# Altium PCB TMC4671-EVAL_V1_1.PcbDoc (part 1 of 2) (continued)
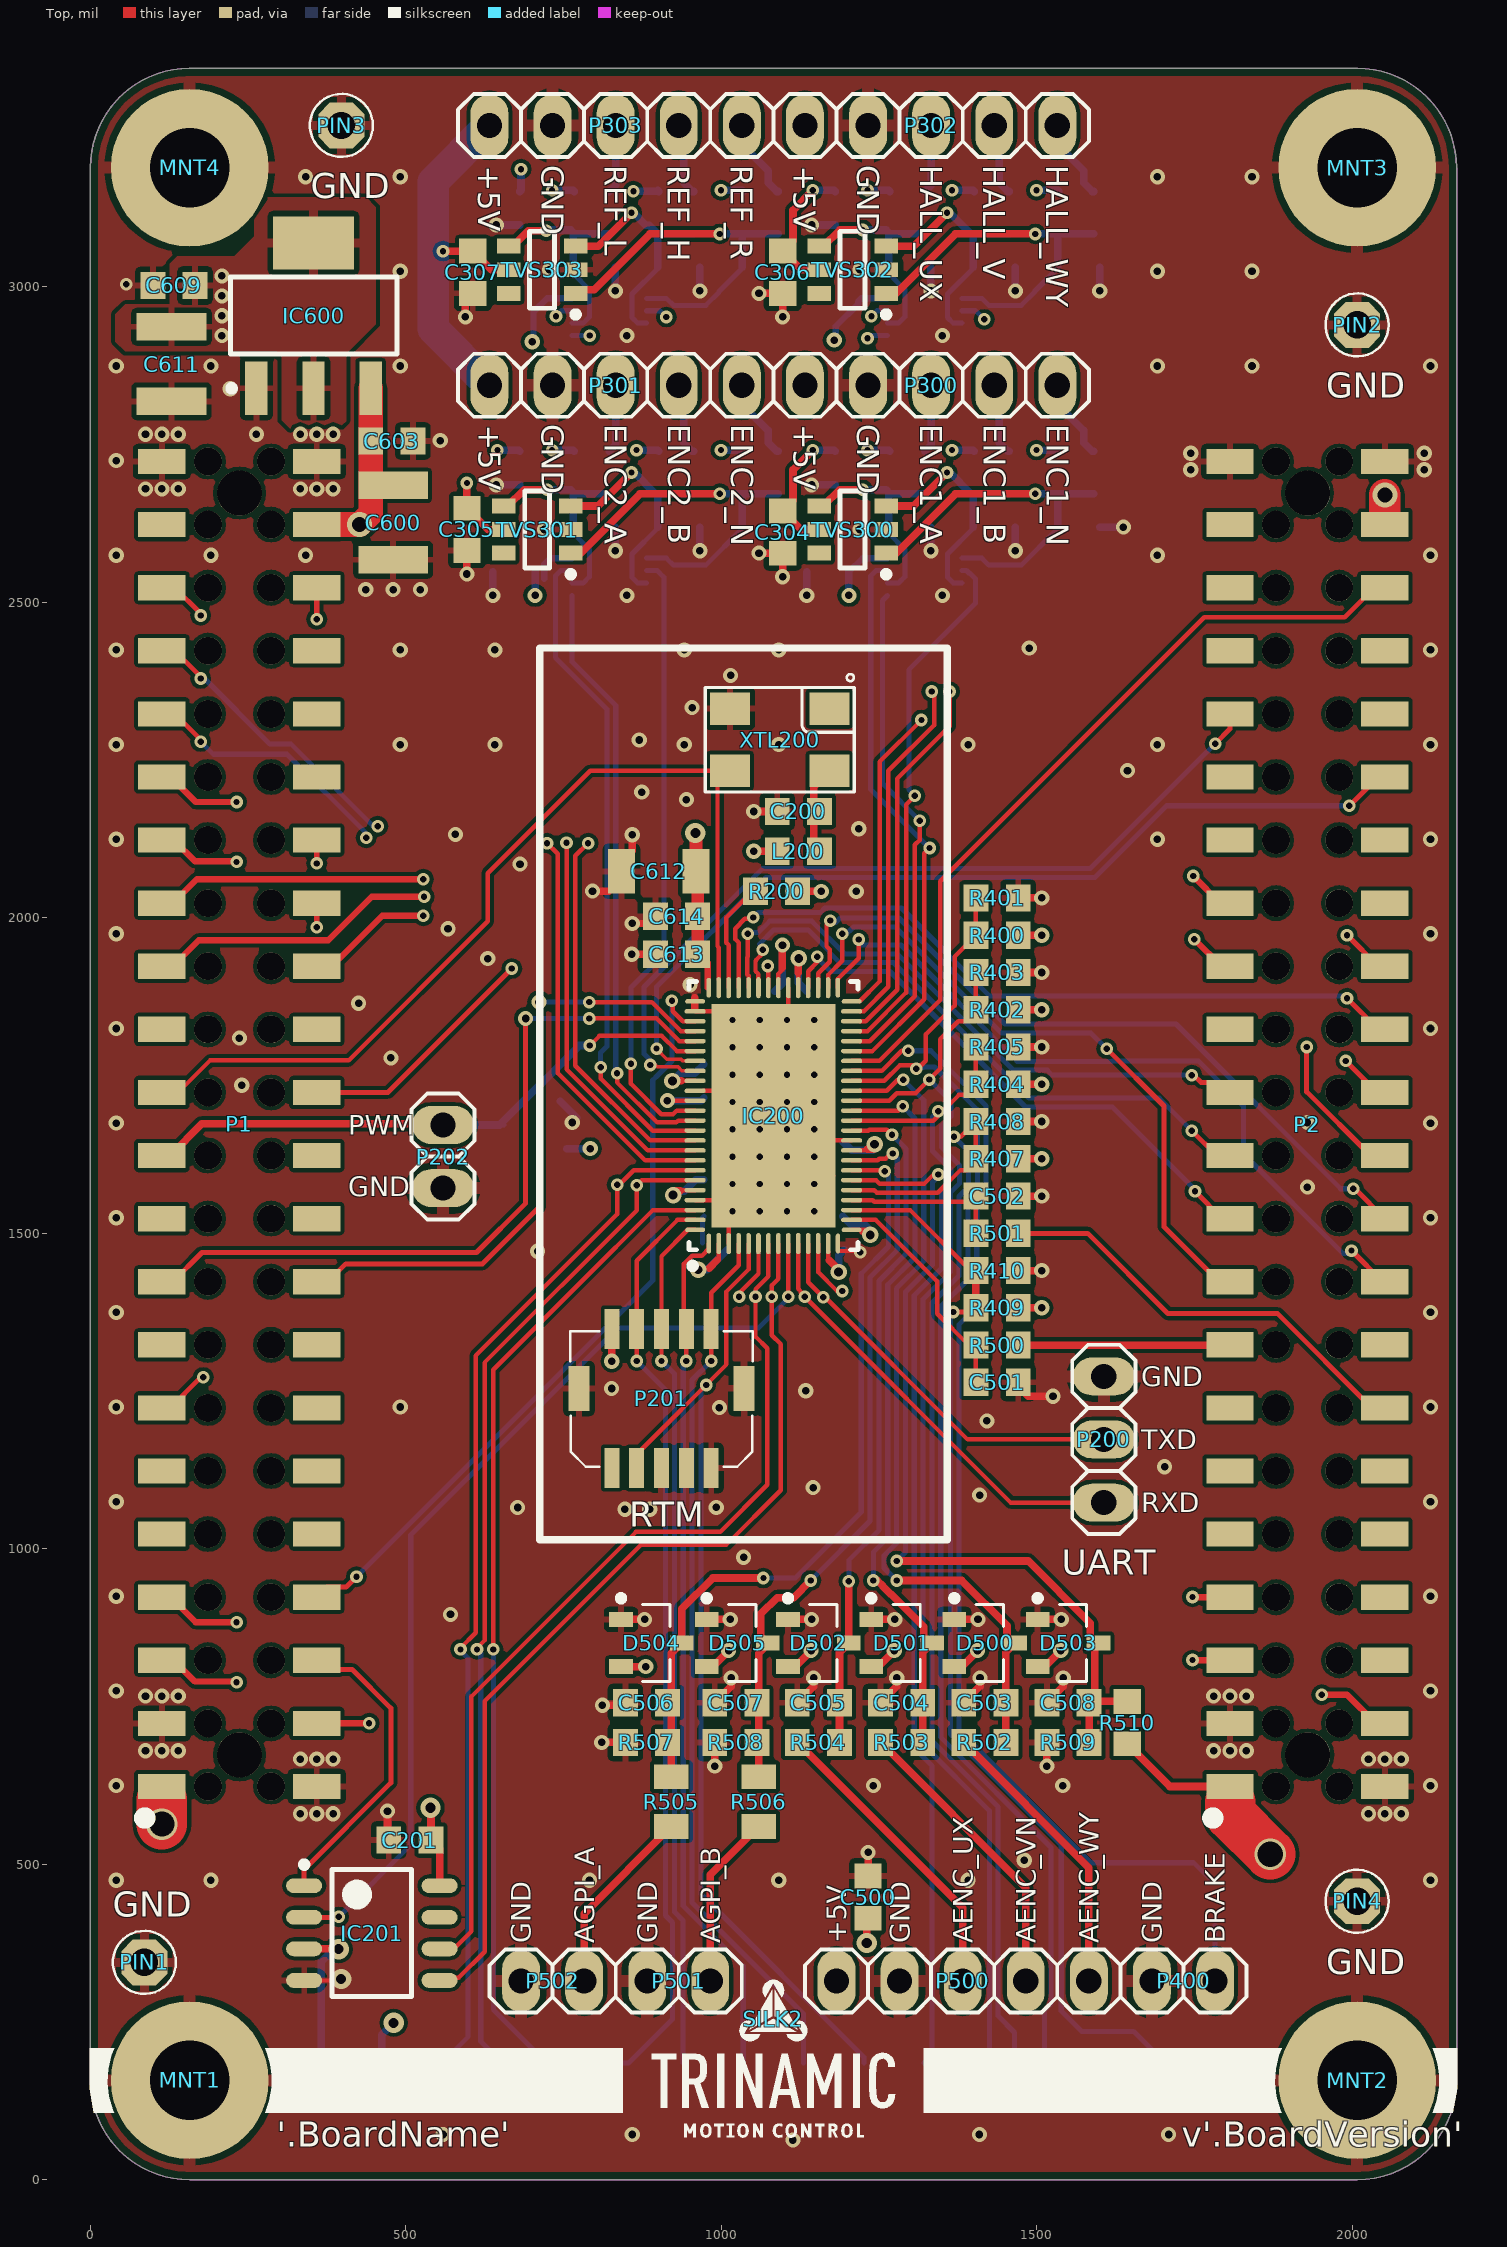
[diagram p0: Top view]
## Footprints (in the part's own frame and the unit in brackets; to place one, negate y for a bottom-side part, rotate by r counter-clockwise, add the part's x,y. Pads: shape width x height; smd on the part's side, far side on the other; paste and mask are expansions set on the pad)
C0603 [mm] "0603 ceramic capacitor"
  rect 1x1.1 smd: 1(-0.85,0) 2(0.85,0)
  body extent -0.8,-0.4 0.8,0.4, height 0.8
C1206 [mm] "1206 ceramic capacitor"
  rect 1.1x1.8 smd: 1(-1.5,0) 2(1.5,0)
  body extent -1.6,-0.8 1.6,0.8, height 0.76
C1210 [mm] "1210 capacitor"
  rect 1.1x2.8 smd: 1(-1.5,0) 2(1.5,0)
  body extent -1.6,-1.25 1.6,1.25, height 0.77
"CON, TMC Debug SPI" [mm]
  rect 0.6x1.6 smd: 1(-2,2.8) 2(-2,-2.8) 3(-1,2.8) 4(-1,-2.8) 5(0,2.8) 6(0,-2.8) 7(1,2.8) 8(1,-2.8) 9(2,2.8) 10(2,-2.8)
  rect 0.85x1.8 smd: 11(-3.325,0.4) 12(3.325,0.4)
  silkscreen extent -3.67,-2.75 3.68,2.7, body extent -3.65,-3.23 3.65,3.17, height 4.6
FOX924B-25.000 [mm] "TCXO, 25 MHz, 2.5 ppm, SMD, 5mm x 3.2mm, HCMOS, 3.3 V, FOX924 Series"
  rect 1.6x1.3 smd: 1(-2.003,-1.25) 2(2.003,-1.25) 3(2.003,1.25) 4(-2.003,1.25)
  silkscreen extent -3,-2.64 3,2.1, body extent -2.5,-1.6 2.5,1.6, height 1.51
Interface_Connector [mil]
  rect 40x75 smd: 1(-1050,122.72) 2(-1050,-122.72) 3(-950,122.72) 4(-950,-122.72) 5(-850,122.72) 6(-850,-122.72) 7(-750,122.72) 8(-750,-122.72) 9(-650,122.72) 10(-650,-122.72) 11(-550,122.72) 12(-550,-122.72) 13(-450,122.72) 14(-450,-122.72) 15(-350,122.72) 16(-350,-122.72) 17(-250,122.72) 18(-250,-122.72) 19(-150,122.72) 20(-150,-122.72) 21(-50,122.72) 22(-50,-122.72) 23(50,122.72) 24(50,-122.72) 25(150,122.72) 26(150,-122.72) 27(250,122.72) 28(250,-122.72) 29(350,122.72) 30(350,-122.72) 31(450,122.72) 32(450,-122.72) 33(550,122.72) 34(550,-122.72) 35(650,122.72) 36(650,-122.72) 37(750,122.72) 38(750,-122.72) 39(850,122.72) 40(850,-122.72) 41(950,122.72) 42(950,-122.72) 43(1050,122.72) 44(1050,-122.72)
  round 44 hole 44: HOLE(-1050,-50.28) HOLE(-1050,49.72) HOLE(-950,-50.28) HOLE(-950,49.72) HOLE(-850,-50.28) HOLE(-850,49.72) HOLE(-750,-50.28) HOLE(-750,49.72) HOLE(-650,-50.28) HOLE(-650,49.72) HOLE(-550,-50.28) HOLE(-550,49.72) HOLE(-450,-50.28) HOLE(-450,49.72) HOLE(-350,-50.28) HOLE(-350,49.72) HOLE(-250,-50.28) HOLE(-250,49.72) HOLE(-150,-50.28) HOLE(-150,49.72) HOLE(-50,-50.28) HOLE(-50,49.72) HOLE(50,-50.28) HOLE(50,49.72) HOLE(150,-50.28) HOLE(150,49.72) HOLE(250,-50.28) HOLE(250,49.72) HOLE(350,-50.28) HOLE(350,49.72) HOLE(450,-50.28) HOLE(450,49.72) HOLE(550,-50.28) HOLE(550,49.72) HOLE(650,-50.28) HOLE(650,49.72) HOLE(750,-50.28) HOLE(750,49.72) HOLE(850,-50.28) HOLE(850,49.72) HOLE(950,-50.28) HOLE(950,49.72) HOLE(1050,-50.28) HOLE(1050,49.72)
  round 71 hole 71: HOLE(-1000,-0.28) HOLE(1000,-0.28)
  silkscreen extent -1107,143 -1093,157, body extent -1100,-129 1100,130, height 144
L0603 [mm] "0603 inductor"
  rect 1x1.1 smd: 1(-0.85,0) 2(0.85,0)
  body extent -0.8,-0.5 0.8,0.45, height 0.79
MNT_HOLE_6.35-3.2 [mm]
  round 6.35 hole 3.2: 1(0,0)
  silkscreen extent -3.3,-3.3 3.3,3.3
QFN40P1050X650X90_HS-77N [mm] "QFN, 76-Leads, Body 10,50x6,50mm, Pitch 0,40mm, Thermal Pad 9,00x5,00mm, IPC Medium Density"
  oval 0.8x0.182 smd mask+0.051: 1(-5.15,2.6) 14(-5.15,-2.6) 39(5.15,-2.6) 52(5.15,2.6)
  oval 0.85x0.182 smd mask+0.051: 2(-5.15,2.2) 3(-5.15,1.8) 4(-5.15,1.4) 5(-5.15,1) 6(-5.15,0.6) 7(-5.15,0.2) 8(-5.15,-0.2) 9(-5.15,-0.6) 10(-5.15,-1) 11(-5.15,-1.4) 12(-5.15,-1.8) 13(-5.15,-2.2) 40(5.15,-2.2) 41(5.15,-1.8) 42(5.15,-1.4) 43(5.15,-1) 44(5.15,-0.6) 45(5.15,-0.2) 46(5.15,0.2) 47(5.15,0.6) 48(5.15,1) 49(5.15,1.4) 50(5.15,1.8) 51(5.15,2.2)
  oval 0.182x0.8 smd mask+0.051: 15(-4.6,-3.15) 38(4.6,-3.15) 53(4.6,3.15) 76(-4.6,3.15)
  oval 0.182x0.85 smd mask+0.051: 16(-4.2,-3.15) 17(-3.8,-3.15) 18(-3.4,-3.15) 19(-3,-3.15) 20(-2.6,-3.15) 21(-2.2,-3.15) 22(-1.8,-3.15) 23(-1.4,-3.15) 24(-1,-3.15) 25(-0.6,-3.15) 26(-0.2,-3.15) 27(0.2,-3.15) 28(0.6,-3.15) 29(1,-3.15) 30(1.4,-3.15) 31(1.8,-3.15) 32(2.2,-3.15) 33(2.6,-3.15) 34(3,-3.15) 35(3.4,-3.15) 36(3.8,-3.15) 37(4.2,-3.15) 54(4.2,3.15) 55(3.8,3.15) 56(3.4,3.15) 57(3,3.15) 58(2.6,3.15) 59(2.2,3.15) 60(1.8,3.15) 61(1.4,3.15) 62(1,3.15) 63(0.6,3.15) 64(0.2,3.15) 65(-0.2,3.15) 66(-0.6,3.15) 67(-1,3.15) 68(-1.4,3.15) 69(-1.8,3.15) 70(-2.2,3.15) 71(-2.6,3.15) 72(-3,3.15) 73(-3.4,3.15) 74(-3.8,3.15) 75(-4.2,3.15)
  rect 9x5 smd: 77(0,0)
  silkscreen extent -6.17,-3.4 5.4,3.4, body extent -5.25,-3.25 5.25,3.25, height 0.9
R0603 [mm] "0603 resistor"
  rect 1x1.1 smd: 1(-0.85,0) 2(0.85,0)
  body extent -0.8,-0.4 0.8,0.4, height 0.45
R0805 [mm] "0805 resistor"
  rect 1x1.4 smd: 1(-1,0) 2(1,0)
  body extent -1,-0.62 1,0.62, height 0.6
SOP127P600X175-8N [mm] "SOP, 8-Leads, Body 4,92x3,90mm, Pitch 1,27mm, IPC Medium Density"
  oval 1.45x0.6 smd: 1(-2.725,1.905) 2(-2.725,0.635) 3(-2.725,-0.635) 4(-2.725,-1.905) 5(2.725,-1.905) 6(2.725,-0.635) 7(2.725,0.635) 8(2.725,1.905)
  silkscreen extent -2.85,-2.55 1.6,2.88, body extent -3,-2.55 3,2.55, height 1.75
SOT95P237X130-3N [mm] "SOT23, 3-Leads, Body 2,90x2,37mm, Pitch 0,95mm, IPC Medium Density"
  rect 0.95x0.6 smd: 1(-1.225,0.95) 2(-1.225,-0.95) 3(1.225,0)
  silkscreen extent -1.35,-1.55 0.75,1.92, body extent -1.32,-1.55 1.32,1.55, height 1.3
SOT95P280X145-6N [mm] "SOT23, 6-Leads, Body 2,95x2,80mm, Pitch 0,95mm, IPC Medium Density"
  rect 0.95x0.6 smd: 1(-1.35,0.95) 2(-1.35,0) 3(-1.35,-0.95) 4(1.35,-0.95) 5(1.35,0) 6(1.35,0.95)
  silkscreen extent -1.48,-1.55 0.5,1.92, body extent -1.4,-1.55 1.4,1.55, height 1.45
SOT230P700X180-4N [mm] "SOT223, 4-Leads, Body 6,50x7,00mm (avg), Pitch 2,30mm, IPC Medium Density"
  rect 2.15x0.9 smd: 1(-2.925,2.3) 2(-2.925,0) 3(-2.925,-2.3)
  rect 2.15x3.25 smd: 4(2.925,0)
  silkscreen extent -3.05,-3.35 1.55,3.42, body extent -3.5,-3.35 3.5,3.35, height 1.8
TH_HDR_1X2 [mil]
  oval 60x98.43 hole 40: 1(-50,0) 2(50,0)
  silkscreen extent -100,-50 100,50, body extent -100,-50 100,50, height 351
TH_HDR_1X3 [mil]
  oval 60x98.43 hole 40: 1(-100,0) 2(0,0) 3(100,0)
  silkscreen extent -150,-50 150,50, body extent -150,-50 150,50, height 351
TH_HDR_1X5 [mil]
  oval 60x98.43 hole 40: 1(-200,0) 2(-100,0) 3(0,0) 4(100,0) 5(200,0)
  silkscreen extent -250,-50 250,50, body extent -250,-50 250,50, height 351
TMC4671_EVAL_V1_0_BACK_LABEL [mil]
  silkscreen extent -591,0 591,2087
TMC_logo_small [mil]
  silkscreen extent -193,-188 193,62
TP_1.1-1.85_OCT [mm]
  oct 1.85x1.85 hole 1.1: 1(0,0)
  silkscreen extent -1.27,-1.27 1.27,1.27
TP_SMD_1.2MM_ROUND#1 [mm]
  rrect100% 1.2x1.2 smd: 1(0,1.69)
TP_SMD_1.2MM_ROUND#2 [mm]
  rrect100% 1.2x1.2 smd: 1(0,0)
TSSOP50P310X90-8L [mm] "TSSOP, 8-Leads, Body 2,00x2,30mm, Pitch 0,50mm, IPC High Density"
  oval 0.6x0.25 smd: 1(-1.5,0.75) 2(-1.5,0.25) 3(-1.5,-0.25) 4(-1.5,-0.75) 5(1.5,-0.75) 6(1.5,-0.25) 7(1.5,0.25) 8(1.5,0.75)
  silkscreen extent -1.63,-1.05 0.8,1.55, body extent -1.55,-1.05 1.55,1.05, height 0.9

## Part data
C200 C201 C304 C305 C306 C307 C320 C321 C322 C323 C601 C602 C604 C605 C606 C607 C608 C610: library part "C, 0.1 µF, 10 V, ± 10%, X7R, 0603", "SMD Multilayer Ceramic Capacitor, 0603 [1608 Metric], 0.1 µF, 10 V, ± 10%, X7R, MC Series", Capacitance=100nF, MPN=MC0603B104K100CT, VoltageRating=10V, Characteristic=X7R, MF=Multicomp, Precision=10%, Type=MLCC
C300 C301 C302 C303 C500: library part "C, 1 µF, 10 V, ± 10%, X5R, MC Series, 0603 [1608 Metric]", "SMD Multilayer Ceramic Capacitor, 0603 [1608 Metric], 1 µF, 10 V, ± 10%, X5R, MC Series", Capacitance=1uF, MPN=MC0603X105K100CT, VoltageRating=10V, Characteristic=X5R, MF=MULTICOMP, Precision=10%, Type=MLCC
C308 C309 C310 C311 C312 C313 C314 C315 C316 C317 C318 C319 C501 C502 C503 C504 C505: library part "C, 100 pF, 50 V, ± 5%, C0G / NP0, MC Series, 0603 [1608 Metric]", "SMD Multilayer Ceramic Capacitor, 0603 [1608 Metric], 100 pF, 50 V, ± 5%, C0G / NP0, MC Series", Capacitance=100pF, MPN=MC0603N101J500CT, VoltageRating=50V, Characteristic="C0G / NP0", MF=MULTICOMP, Precision=5%, Type=MLCC
C506 C507: library part "C, 100 pF, 10 V, ± 1%, C0G / NP0, MCMT Series, 0603 [1608 Metric]", "SMD Multilayer Ceramic Capacitor, 0603 [1608 Metric], 100 pF, 10 V, ± 1%, C0G / NP0, MCMT Series", Capacitance=100pF, MPN=MCMT18N101F100CT, VoltageRating=10V, Characteristic="C0G / NP0", MF=MULTICOMP, Precision=1%, Type=MLCC
C508: library part "C, 10nF, 10 V, ± 10%, X7R, 0603", "SMD Multilayer Ceramic Capacitor, 0603 [1608 Metric], 0.01 µF, 10 V, ± 10%, X7R, MCSH Series", MPN=MCSH18B103K100CT, VoltageRating=10V, Capacitance=10nF, Characteristic=X7R, MF=MULTICOMP, Precision=10%, Type=MLCC
C600: library part "C, 100 µF, 16 V, ± 20%, X5R, M Series, 1210", "SMD Multilayer Ceramic Capacitor, 1210 [3225 Metric], 100 µF, 16 V, ± 20%, X5R, M Series", Capacitance=100uF, MPN=EMK325ABJ107MM-T, VoltageRating=16V, Characteristic=X5R, MF="TAIYO YUDEN", Precision=20%, Type=MLCC
C603 C609: library part "C, 4.7 µF, 10 V, ± 10%, X5R, MC Series , 0603", "SMD Multilayer Ceramic Capacitor, 0603 [1608 Metric], 4.7 µF, 10 V, ± 10%, X5R, MC Series", Capacitance=4u7, MPN=MC0603X475K100CT, VoltageRating=10V, Characteristic=X5R, MF=MULTICOMP, Precision=10%, Type=MLCC
C611: library part "C, 100 µF, 6.3 V, ± 20%, X5R, GRM Series, 1210", "SMD Multilayer Ceramic Capacitor, 1210 [3225 Metric], 100 µF, 6.3 V, ± 20%, X5R, GRM Series", Capacitance=100uF, MPN=GRM31CR60J107ME39L., VoltageRating=6V3, Characteristic=X5R, MF=MURATA, Precision=20%, Type=MLCC
C612: library part "C, 47 µF, 10 V, ± 20%, X7R, MC Series , 1206", "SMD Multilayer Ceramic Capacitor, 1206 [3216 Metric], 47 µF, 10 V, ± 20%, X5R, GRM Series", Capacitance=47uF, MPN=GRM31CR61A476ME15L, VoltageRating=10V, Characteristic=X5R, MF=MURATA, Precision=20%, Type=MLCC
C613: library part "C, 0.1 µF, 10 V, ± 10%, X7R, 0603", "SMD Multilayer Ceramic Capacitor, 0603 [1608 Metric], 0.1 µF, 10 V, ± 10%, X7R, MC Series", MPN=MC0603B104K100CT, VoltageRating=10V, Capacitance=100nF, Characteristic=X7R, MF=Multicomp, Precision=10%, Type=MLCC
C614: library part "C, 0.47 µF, 16 V, ± 10%, X5R, MC Series, 0603 [1608 Metric]", "SMD Multilayer Ceramic Capacitor, 0603 [1608 Metric], 0.47 µF, 16 V, ± 10%, X5R, MC Series", MPN=MC0603X474K160CT, Voltage rating=16V, Capacitance=470nF, Characteristic=X5R, ComponentLinknDescription=Datasheet, MF=Multicomp, Precision=10%, Type=MLCC
C615: library part "C, 4.7 µF, 10 V, ± 10%, X5R, MC Series , 0603", "SMD Multilayer Ceramic Capacitor, 0603 [1608 Metric], 4.7 µF, 10 V, ± 10%, X5R, MC Series", MPN=MC0603X475K100CT, VoltageRating=10V, Capacitance=4u7, Characteristic=X5R, MF=MULTICOMP, Precision=10%, Type=MLCC
D200 D500 D501 D502 D503 D504 D505: "Small Signal Schottky Diode, Dual Series, 30 V, 200 mA, 1 V, 600 mA, 125 °C", MF="TAIWAN SEMICONDUCTOR", MPN=BAT54S
IC201: library part "EEPROM_ AT25128B-SSHL-T", "EEPROM, SPI, 128 Kbit, 16K x 8bit, 20 MHz, SOIC, 8 Pins", MF=MICROCHIP, MPN=AT25128B-SSHL-T
IC300 IC301 IC302 IC303: "Triple Schmitt-Trigger Buffer, 74LVC3G17, 1.65 V to 5.5 V, VSSOP-8", MF="TEXAS INSTRUMENTS", MPN=SN74LVC3G17DCUR
IC600: library part LDO_LD1117S33CTR, "Fixed LDO Voltage Regulator, 4.75V to 15V, 1.1V Dropout, 3.3Vout, 950mAout, SOT-223-4", MF=STMICROELECTRONICS, MPN=LD1117S33CTR
L200: library part "FB, 30 ohm, 0603 [1608 Metric], MFB Series, 3 A, 0.04 ohm, ± 25%", "Ferrite Bead, 30 ohm, 0603 [1608 Metric], MFB Series, 3 A, 0.04 ohm, ± 25%", DC Current Rating=3A, DC Resistance Max=0R04, MPN=MFB-160808-0030PQ, Tolerance=±25%, Impedance=30R, MF="MEC MARCOM"
P1 P2: library part "Interface Connector, 44 Pins", "Board-To-Board Connector, 2.54 mm, 44 Contacts, Receptacle, HLE Series, Surface Mount, 2 Rows", MPN=HLE-122-02-L-DV, MF=SAMTEC
P200: library part "Header 3", "Header, 3-Pin", Note="Not fitted"
P201: library part "CON, TMC Debug SPI", "Wire-To-Board Connector, 1 mm, 10 Contacts, Header, DF20 Series, Surface Mount, 2 Rows", MF="Hirose Electric Co Ltd", MPN=DF20F-10DP-1V(56)
P202 P400 P501 P502: library part "Header 2", "Header, 2-Pin"
  P202: Note="Not fitted"
P300 P301 P302 P303 P500: library part "Header 5", "Header, 5-Pin"
PIN1 PIN2 PIN3 PIN4: library part TP_1.1-1.85_OCT, "TH testpoint, 1.1 hole, 1.85 pad, octagonal"
R200 R400 R401 R402 R403 R404 R405 R407 R408 R409 R410: library part "R, 10 kohm, 50 V, 0603 [1608 Metric], 63 mW, ± 1%, MC Series", "SMD Chip Resistor, Thick Film, 10 kohm, 50 V, 0603 [1608 Metric], 63 mW, ± 1%, MC Series", MPN=MC0063W0603110K, PowerRating=63mW, Temp coefficient=*ppm, VoltageRating=50V, MF=MULTICOMP, Precision=1%, Resistance=10k
R300 R301 R302 R303 R304 R305 R306 R307 R308 R309 R310 R311: library part "R, 22 ohm, 50 V, 0603 [1608 Metric], 100 mW, ± 1%, MCWR Series", "SMD Chip Resistor, Thick Film, 22 ohm, 50 V, 0603 [1608 Metric], 100 mW, ± 1%, MCWR Series", MPN=MCWR06X22R0FTL, PowerRating=100mW, Temp coefficient=*ppm, VoltageRating=50V, MF=MULTICOMP, Precision=1%, Resistance=22R
R312 R313 R314 R315 R316 R317 R318 R319 R320 R321 R322 R323: library part "R, 4.7 kohm, 75 V, 0603 [1608 Metric], 100 mW, ± 1%, WR06 Series", "SMD Chip Resistor, 4.7 kohm, 75 V, 0603 [1608 Metric], 100 mW, ± 1%, WR06 Series", MPN=WR06X4701FTL, PowerRating=100mW, Temp coefficient=*ppm, VoltageRating=75V, MF=WALSIN, Precision=1%, Resistance=4k7
R406: library part "R, 10 ohm, 50 V, 0603 [1608 Metric], 100 mW, ± 1%, MCWR Series", "SMD Chip Resistor, Thick Film, 10 ohm, 50 V, 0603 [1608 Metric], 100 mW, ± 1%, MCWR Series", MPN=MC0063W0603110K, PowerRating=100mW, Temp coefficient=*ppm, VoltageRating=50V, MF=MULTICOMP, Precision=1%, Resistance=10R
R500 R501 R502 R503 R504: library part "R, 100 ohm, 50 V, 0603 [1608 Metric], 100 mW, ± 1%, MCWR Series", "SMD Chip Resistor, Thick Film, 100 ohm, 50 V, 0603 [1608 Metric], 100 mW, ± 1%, MCWR Series", MPN=MCWR06X1000FTL, PowerRating=100mW, Temp coefficient=*ppm, VoltageRating=50V, MF=MULTICOMP, Precision=1%, Resistance=100R
R505 R506: library part "R, 4 kohm, 150 V, 0805 [2012 Metric], 125 mW, ± 1%, CRCW Series", "SMD Chip Resistor, Thick Film, 4 kohm, 150 V, 0805 [2012 Metric], 125 mW, ± 1%, CRCW Series", MPN=CRCW08054K00FKTA, PowerRating=125mW, Temp coefficient=*ppm, VoltageRating=150V, MF=VISHAY, Precision=1%, Resistance=4k
R507 R508: library part "R, 1 kohm, 50 V, 0603 [1608 Metric], 63 mW, ± 1%, MC Series", "SMD Chip Resistor, Thick Film, 1 kohm, 50 V, 0603 [1608 Metric], 100 mW, ± 0.5%, RE Series", MPN=MC0063W060311K, PowerRating=63mW, Temp coefficient=*ppm, VoltageRating=50V, MF=MULTICOMP, Precision=1%, Resistance=1k
R509: library part "R, 1.5 kohm, 50 V, 0603 [1608 Metric], 100 mW, ± 1%, MCWR Series", "SMD Chip Resistor, Thick Film, 1.5 kohm, 50 V, 0603 [1608 Metric], 100 mW, ± 1%, MCWR Series", MPN=MCWR06X1501FTL, PowerRating=63mW, Temp coefficient=*ppm, VoltageRating=50V, MF=MULTICOMP, Precision=1%, Resistance=1k5
R510: library part "R, 100 kohm, 50 V, 0603 [1608 Metric], 100 mW, ± 1%, MCWR Series", "SMD Chip Resistor, Thick Film, 100 kohm, 50 V, 0603 [1608 Metric], 100 mW, ± 1%, MCWR Series", MPN=MCWR06X1003FTL, Temp coefficient=*ppm, MF=MULTICOMP, Precision=1%, Resistance=100k
SILK1 SILK2: library part SILK_GFX
TP1 TP2 TP3 TP4 TP5 TP6 TP7 TP8 TP9 TP10 TP11 TP12 TP13 TP14 TP400 TP401: library part TP_SMD_Xmm, "SMD testpoint, 1.2mm pad, round"
TVS300 TVS301 TVS302 TVS303: library part "ESD, TVS, SRV05-4.TCT", "ESD Protection Device, TVS, 17.5 V, SOT-23, 6 Pins, 5 V, 300 W", MF=SEMTECH, MPN=SRV05-4.TCT
XTL200: library part "25 MHz, 2.5 ppm, SMD, 5mm x 3.2mm, HCMOS, 3.3 V, FOX924 Series", "TCXO, 25 MHz, 2.5 ppm, SMD, 5mm x 3.2mm, HCMOS, 3.3 V, FOX924 Series", Freq. Stability=2.5ppm, MPN=FOX924B-25.000, Op.temp.=-30°C...+80°C, Freq.=25MHz, MF="FOX ELECTRONICS"
IC200: MF=TRINAMIC, MPN=TMC4671

## Free pads (board coordinates)
  round 0 on Mech16 paste+0 mask+0: 1(1296.85,1913.39) 1(1296.85,1956.69)

## Via types
v1: diameter 24, hole 12, Top to Bottom, tented both sides, 171 vias
v2: diameter 20, hole 10, Top to Bottom, tented both sides, 136 vias
v3: diameter 24.1, hole 12, Top to Bottom, tented both sides, 67 vias
v4: diameter 24, hole 10, Top to Bottom, 32 vias
v5: diameter 26, hole 14, Top to Bottom, tented both sides, 7 vias
v6: diameter 32, hole 16, Top to Bottom, tented both sides, 6 vias
v7: diameter 39.37, hole 23.62, Top to Bottom, tented both sides, 2 vias
v8: diameter 50, hole 40, Top to Bottom, tented both sides, 2 vias

## Nets (pads, with @x,y where several pads share a name; then routed paths per layer and width w, separated by ;. In a path a pad name is that pad's centre, name@x,y a point inside that pad or via, vN(x,y) a via of type N, cw(c..) or ccw(c..) an arc to the next point about the centre after c; other vN are vias at no path point)
+3V3: C201.2 C320.2 C321.2 C322.2 C323.2 C601.2 C604.2 C606.2 C608.2 C609.2 C610.2 C611.2 C612.2 C613.2 C614.1 D200.2 IC200.2 IC200.13 IC200.43 IC200.52 IC200.61 IC200.72 IC201.3 IC201.8 IC300.8 IC301.8 IC302.8 IC303.8 IC600.2 IC600.4 L200.1 P201.1 R200.2 TP1.1 | length 1710.8
  Top w7.1: 934.84,1568.39 IC200.72@958.66,1568.39 ; 940.94,1741.62 IC200.61@958.66,1741.62 ; 996.06,1457.76 IC200.2@996.06,1483.74 ; IC200.43@1122.05,1889.26 1122.05,1913.17 ; 1169.29,1459.45 IC200.13@1169.29,1471.01
  Top w10: IC200.52@978.76,1889.26 C613.2@978.76,1928.88
  Top w11.81: v5@918.66,1741.62 936.64,1741.62 ; v5@922.68,1561.5 v5@928.57,1567.39 ; v5@923.47,1567.39 v5@928.57,1567.39 ; 934.84,1567.39 v5@928.57,1567.39 ; 980.76,1444.45 994.06,1457.76 ; 1122.05,1913.17 v5@1122.05,1941.82 ; 1171.29,1457.16 1185.99,1442.46 v5(1185.99,1438.62)
  Top w12: IC201.3@339.01,365.94 393.12,365.94 v6(393.7,365.35) ; v6(539.19,589.54) 539.98,588.75 C201.2@539.98,538.36 553.58,524.76 IC201.8@553.58,465.94 ; v1(826.58,1297.29) P201.1@826.58,1348.47 ; v1(1051.46,2105.53) L200.1@1088.86,2105.53 ; R200.2@1121.1,2041.89 v1(1158.5,2041.89)
  Top w20: v6(958.94,2134.23) 959.96,2133.21 C612.2@959.96,2073.62 ; C613.2@962.57,1942.37 C614.1@962.57,2002.37 C612.2@962.57,2074.48
  Bottom w10: v1(700.39,2912.99) 702.36,2914.96 C323.2@702.36,2960.24 724.02,2981.89 IC303.8@763.39,2981.89 ; C321.2@719.6,2537.29 719.6,2560.2 729.4,2570 763.31,2570 IC301.8@763.39,2570.08 ; v1(1179.06,2915.65) 1181.73,2918.33 1181.73,2937.64 1217.05,2972.95 1217.05,2976.89 1221.97,2981.81 1263.31,2981.81 IC302.8@1263.39,2981.89 ; C320.2@1202.36,2548.43 1224.02,2570.08 IC300.8@1263.39,2570.08
  Bottom w11.81: v5@922.96,1741.62 v5(922.68,1741.34) 934.77,1753.43 958.23,1753.43 C601.2@972.68,1767.87 ; v5@923.68,1562.5 923.68,1566.87 941.4,1566.87 959.33,1584.8 C610.2@972.68,1584.8 ; v5(963.3,1442.1) 978.04,1442.1 C604.2@1009.84,1473.9 ; 1122.05,1918.78 1122.05,1897.13 C608.2@1135.83,1883.35 ; v5(1185.99,1438.62) 1185.99,1465.01 C606.2@1194.88,1473.9
  Bottom w12: TP1.1@366.14,185.04 366.14,345.67 385.83,365.35 v6(393.7,365.35) ; v1(704.91,2511.02) C321.2@704.91,2548.43 ; D200.2@754.94,1634.23 v1(792.34,1634.23) ; v1(1202.36,2511.02) C320.2@1202.36,2548.43
  other v1: 208.66,2922.83 208.66,2954.33 208.66,2985.83 208.66,3017.32
  other v5: 923.68,1560.5 1122.85,1935.62
+5V: C300.2 C301.2 C302.2 C303.2 C304.1 C305.1 C306.1 C307.1 C500.2 C600.2 C603.2 C615.2 D500.2 D501.2 D502.2 D503.2 D504.2 D505.2 IC200.23 IC600.3 P1.42 P2.42 P300.5 P301.5 P302.5 P303.5 P500.5 R312.2 R313.2 R314.2 R315.2 R316.2 R317.2 R318.2 R319.2 R320.2 R321.2 R322.2 R323.2 R400.2 R402.2 R404.2 R407.2 R409.2 TP2.1 TVS300.5 TVS301.5 TVS302.5 TVS303.5 | length 10135.2
  Top w7.1: IC200.23@1209.69,1631.38 1228.41,1631.38
  Top w11.81: 1231.51,1633.38 v5@1242.5,1633.38
  Top w12: v6@480.65,248.42 v6(480.85,248.62) ; v2@559.06,3056.69 C307.1@606.3,3056.69 635.83,3027.17 TVS303.5@662.99,3027.17 ; v2(596.94,2689.23) C305.1@596.94,2649.23 630.81,2615.35 TVS301.5@655.12,2615.35 ; D504.2@833.27,813.28 D504.2@841.14,813.28 v1(880.3,813.28) ; D505.2@975,813.28 D505.2@976.97,813.28 986.32,813.28 v1(1011.62,838.58) ; D502.2@1105.79,813.28 1117.11,813.28 v1(1142.4,838.58) ; v2(1145.28,2741.34) 1113.78,2709.84 1113.78,2661.42 C304.1@1097.24,2644.88 1126.77,2615.35 TVS300.5@1155.12,2615.35 ; v2(1145.28,3153.15) 1113.78,3121.65 1113.78,3073.23 C306.1@1097.24,3056.69 1126.77,3027.17 TVS302.5@1155.12,3027.17 ; v6(1230.68,374.96) 1230.68,412.5 C500.2@1232.68,414.49 ; D501.2@1237.68,813.28 1249,813.28 v1(1274.29,838.58) ; D500.2@1369.57,813.28 1380.89,813.28 v1(1406.18,838.58) ; R409.2@1470.63,1381.89 v1(1508.03,1381.89) ; R407.2@1470.63,1618.11 v1(1508.03,1618.11) ; R404.2@1470.63,1736.22 v1(1508.03,1736.22) ; R402.2@1470.63,1854.33 v1(1508.03,1854.33) ; R400.2@1470.63,1972.44 v1(1508.03,1972.44) ; D503.2@1501.46,813.29 1512.77,813.28 v1(1538.07,838.58)
  Top w39.37: P1.42@358.94,2623.23 v7(426.77,2623.23) 444.41,2640.87 C603.2@444.41,2755.65 IC600.3@444.41,2839.25
  Top w50: P2.42@2051.85,2633.86 v7(2051.85,2670.19)
  VM w12: v5(1243.16,1641.23) 1245,1641.23 1248.62,1644.85 1248.62,1665.42 1262.51,1679.31 1296.73,1679.31 1353.64,1736.22 v1(1508.03,1736.22) 1558.94,1736.22 ; v1(1508.03,1381.89) 1532.3,1357.62 ; v1@1513.94,1618.23 1542.76,1618.23 ; v1@1513.94,1854.45 1542.76,1854.45 ; v1@1513.94,1972.56 1542.76,1972.56 ; 1522.3,1357.62 1532.3,1357.62 ; 1535.85,1357.62 1532.3,1357.62
  VM w20: v6(480.85,248.62) 480.85,312.44 880.3,711.9 v1(880.3,813.28) 905.6,838.58 v1(1011.62,838.58) v1(1142.4,838.58) v1(1274.29,838.58) v1(1406.18,838.58) 1472.85,838.58 v1(1538.07,838.58)
  VM w50: v7(426.77,2623.23) 503.81,2623.23 632.68,2752.09 ; P301.5@632.68,2844.09 632.68,2752.09 ; P303.5@632.68,3255.91 632.68,3238.97 707.75,3163.91 1132.68,3163.91 ; P300.5@1132.68,2844.09 1132.68,2752.09 ; P302.5@1132.68,3255.91 1132.68,3163.91 ; P500.5@1182.68,314.96 1182.68,343.96 1472.85,634.13 1472.85,838.58 1472.85,1294.62 1535.85,1357.62 1563.94,1385.72 1563.94,2752.09 1689.1,2752.09 1732.28,2795.28 2009.45,2795.28 2052.76,2751.97 v7@2052.76,2670.19 ; 1501.57,3163.91 1132.68,3163.91 ; 1549.85,2752.09 1231.89,2752.09 1132.68,2752.09 ; 632.68,2752.09 645.28,2752.09 1132.68,2752.09
  Bottom w11.81: C615.2@1192.91,1645.16 1206.69,1631.38 v5@1240.16,1631.38
  Bottom w12: TP2.1@461.68,185.04 461.68,229.46 v6(480.85,248.62) ; v2(645.28,2741.34) 678.74,2741.34 C301.2@680.71,2739.37 ; C303.2@680.71,3151.18 682.68,3153.15 v2(682.68,3186.61) ; v2(731.89,2741.34) 765.35,2741.34 R313.2@767.32,2739.37 ; v2(731.89,3153.15) 765.35,3153.15 R315.2@767.32,3151.18 ; v2(860.85,3151.62) 897.68,3151.62 899.21,3153.15 R319.2@901.18,3151.18 ; v2(865.75,2741.34) 899.21,2741.34 R317.2@901.18,2739.37 ; v2(999.61,2741.34) 1033.07,2741.34 R321.2@1035.04,2739.37 ; v2(999.61,3153.15) 1033.07,3153.15 R323.2@1035.04,3151.18 ; v2(1145.28,2741.34) 1178.74,2741.34 C300.2@1180.71,2739.37 ; v2(1145.28,3153.15) 1178.74,3153.15 C302.2@1180.71,3151.18 ; v2(1231.89,2741.34) 1265.35,2741.34 R312.2@1267.32,2739.37 ; v2(1231.89,3153.15) 1265.35,3153.15 R314.2@1267.32,3151.18 ; v2(1365.75,2741.34) 1399.21,2741.34 R316.2@1401.18,2739.37 ; v2(1365.75,3153.15) 1399.21,3153.15 R318.2@1401.18,3151.18 ; v2(1499.61,2741.34) 1533.07,2741.34 R320.2@1535.04,2739.37 ; v2(1499.61,3153.15) 1533.07,3153.15 R322.2@1535.04,3151.18
  Bottom w50: P301.5@632.68,2844.09 543.31,2933.47 543.31,3166.54 P303.5@632.68,3255.91
  other v2: 559.06,3056.69
+5V_USB: P1.5 P2.5 | length 1768
  Top w10: P1.5@113.5,823.23 132.24,823.23 165.93,789.54 230.93,789.54 v2(231.85,788.62) ; v2(1746.85,823.62) 1747.24,823.23 P2.5@1806.41,823.23
  MID w10: v2(231.85,788.62) 233.45,790.23 408.45,790.23 432.45,814.23 804.59,814.23 860.2,758.62 1681.85,758.62 v2(1746.85,823.62)
+VCC_CORE: C602.2 C605.2 C607.2 IC200.15 IC200.45 IC200.63 | length 341.3
  Top w7.1: v1(914.62,1710.31) 914.75,1710.19 IC200.63@945.93,1710.19 ; IC200.45@1090.55,1893.26 1090.55,1910.97 1097.62,1918.04 ; 1094.3,1916.1 1094.3,1922.88 ; IC200.15@1206.69,1505.4 1224.41,1505.4 ; v1@909.76,1705.45 909.95,1705.45 914.62,1710.12 914.43,1710.12 v1@909.76,1705.45
  Top w11.81: 1096.71,1920.7 1096.71,1956.31 v1(1097.06,1956.65) ; 1224.41,1503 v5@1236.22,1503
  Bottom w11.81: v1(914.62,1710.31) 968.18,1710.31 C605.2@972.68,1714.8 ; C607.2@1084.65,1883.35 1097.06,1895.76 v1(1097.06,1956.65) ; C602.2@1192.91,1527.05 1206.97,1512.99 1228.63,1512.99 v5@1240.16,1501.46
  other v5: 1236.22,1497.4
+VM: P1.1 P2.1 R510.2 | length 2615.2
  Top w12: R510.2@1643.31,691.07 1711.15,623.23 P2.1@1806.41,623.23
  Top w80: v8(113.5,563.67) 113.5,602.36 ; 1807.09,598.43 1807.09,578.74 v8(1870.08,515.75)
  VM w80: v8(113.5,563.67) 113.5,465.24 417.32,161.42 1769.98,161.42 1870.08,261.52 v8(1870.08,515.75)
ADC_BIP: P2.36
ADC_I0_INN: IC200.17 R409.1 R410.2 TP400.1 | length 1710
  Top w7.1: IC200.17@1206.69,1536.89 1299.21,1536.89 R410.2@1393.7,1442.41
  Top w8: v2(1367.94,1375.23) 1403.7,1375.23 R409.1@1403.7,1381.89
  Top w12: R409.1@1403.7,1381.89 R410.2@1403.7,1440.95
  Bottom w8: v2(1367.94,1375.23) 1368.85,1374.32 1363.06,1368.53 1363.06,706.12 1538.94,530.24 1538.94,267.23 1570.94,235.23 1653.48,235.23 TP400.1@1703.67,185.04
ADC_I0_LP: C501.2 IC200.16 R500.1 | length 358.2
  Top w7.1: IC200.16@1206.69,1521.15 1245,1521.15 1342.52,1423.62 1342.52,1372.36 1392.05,1322.84 R500.1@1393.7,1322.84 ; C501.2@1403.7,1263.78 R500.1@1403.7,1322.84
ADC_I0_U: P2.15 R500.2 | length 335.8
  Top w12: R500.2@1470.63,1322.84 P2.15@1806.41,1322.84
ADC_I1_INN: IC200.19 R407.1 R408.2 TP401.1 | length 2069.2
  Top w7.1: IC200.19@1206.69,1568.39 1242.6,1568.39 1246.77,1564.23 1343.22,1564.23 1379.22,1600.23 1389.22,1600.23 1403.7,1614.7 R407.1@1403.7,1618.11 R408.2@1403.7,1677.16 1379.76,1653.23 v2(1368.94,1653.23)
  Bottom w8: v2(1368.94,1653.23) 1391.94,1630.23 1391.94,1573.35 1376.94,1558.35 1376.94,1432.65 1333.94,1389.65 1333.94,695.64 1438.94,590.64 1438.94,259.48 1464.94,233.48 1464.94,173.23 1496.94,141.23 1564.32,141.23 TP401.1@1608.14,185.04
ADC_I1_LP: C502.2 IC200.18 R501.1 | length 250.7
  Top w7.1: IC200.18@1206.69,1552.64 1206.8,1552.53 1239.94,1552.53 1242.24,1550.23 1384.87,1550.23 C502.2@1393.7,1559.06 ; R501.1@1403.7,1500 C502.2@1403.7,1559.06
ADC_I1_V: P2.14 R501.2 | length 695.9
  Top w8: R501.2@1470.63,1500 1580.71,1500 1708.09,1372.62 1881.85,1372.62 2031.24,1223.23 P2.14@2051.85,1223.23
ADC_I2_S: P2.16
ADC_START: P2.38
ADC_T_MOSFETS: P2.11
ADC_T_MOTOR: P2.12
ADC_U_UX: P2.41
ADC_U_V: P2.37
ADC_U_WY: P2.39
ADC_VM_LP: C508.2 D503.3 IC200.20 R509.1 R510.1 | length 1405.6
  Top w7.1: IC200.20@1206.69,1584.14 1245.38,1584.14 1251.29,1578.23 1321.45,1578.23 1336.45,1593.23 v2(1343.94,1593.23)
  Top w12: v2(1278.06,980.65) 1486.52,980.65 1584.94,882.23 1584.94,856.77 1591.02,850.69 D503.3@1597.91,850.69 1592.1,844.87 1592.1,764.98 C508.2@1585.12,758 ; R509.1@1583.15,693.04 C508.2@1583.15,756.03 C508.2@1585.12,758 ; R510.1@1643.31,758 C508.2@1585.12,758
  Bottom w8: v2(1278.06,980.65) 1291.94,994.54 1291.94,1407.05 1334.94,1450.05 1334.94,1580.98 1341.64,1587.69 1341.64,1595.52 v2@1340.49,1596.68 ; v2@1342.85,1599.03 1342.85,1594.32 v2(1343.94,1593.23)
AENC_UX: P500.3 R504.2 | length 486.7
  Top w12: R504.2@1120.55,693.04 1382.68,430.91 P500.3@1382.68,314.96
AENC_UX_INN: IC200.26 R404.1 R405.2 TP11.1 | length 1844.6
  Top w7.1: IC200.26@1206.69,1678.63 1336.11,1678.63 1376.71,1719.23 1386.71,1719.23 R404.1@1403.7,1736.22 R405.2@1403.7,1795.28
  Bottom w8: TP11.1@1321.52,185.04 1333.94,197.46 1333.94,656.04 1305.94,684.04 1305.94,1401.25 1348.94,1444.25 1348.94,1569.94 1363.94,1584.94 1363.94,1601.51 1334.94,1630.51 1334.94,1684.23 v2(1343.94,1693.23)
AENC_UX_LP: C505.2 D502.3 IC200.25 R504.1 | length 1084
  Top w7.1: IC200.25@1206.69,1662.88 1232.88,1662.88 1234.23,1664.23 1262.71,1664.23 v2(1270.62,1656.31)
  Top w12: R504.1@1187.48,693.04 C505.2@1187.48,756.03 1187.48,835.92 D502.3@1202.24,850.69 v2(1202.24,948.62)
  Bottom w8: v2(1202.24,948.62) 1202.24,981.84 1249.94,1029.54 1249.94,1424.44 1292.94,1467.44 1292.94,1633.81 1270.62,1656.13 v2(1270.62,1656.31)
AENC_VN: P500.2 R503.2 | length 473.4
  Top w12: R503.2@1252.44,693.04 1482.68,462.8 P500.2@1482.68,314.96
AENC_VN_INN: IC200.28 R402.1 R403.2 TP12.1 | length 1992.2
  Top w7.1: IC200.28@1219.43,1710.12 1266.5,1710.12 1278.19,1721.81 1308.03,1721.81 v2(1329.85,1743.62) 1346.77,1760.55 1346.77,1807.4 1375.6,1836.23 1385.6,1836.23 R402.1@1403.7,1854.33 R403.2@1403.7,1913.39
  Bottom w8: v2(1329.85,1743.62) 1363.94,1709.53 1363.94,1684.94 1348.94,1669.94 1348.94,1636.31 1377.94,1607.31 1377.94,1579.15 1362.94,1564.15 1362.94,1438.45 1319.94,1395.45 1319.94,689.84 1424.94,584.84 1424.94,192.92 TP12.1@1417.06,185.04
AENC_VN_LP: C504.2 D501.3 IC200.27 R503.1 | length 1188.3
  Top w7.1: IC200.27@1206.69,1694.37 1280.69,1694.37 v2(1287.62,1701.31)
  Top w12: v2(1241.06,949.65) 1247.45,949.65 1256.06,941.05 1256.06,940.54 1268.94,927.65 1269.45,927.65 1321.06,876.05 1321.06,856.87 1327.24,850.69 D501.3@1334.13,850.69 ; R503.1@1319.37,693.04 C504.2@1319.37,756.03 1319.37,835.92 D501.3@1334.13,850.69 ; D501.3@1328.32,844.87 D501.3@1334.13,850.69
  Bottom w8: v2(1241.06,949.65) 1241.06,994.65 1263.94,1017.54 1263.94,1418.64 1306.94,1461.64 1306.94,1681.99 v2(1287.62,1701.31)
AENC_WY: P500.1 R502.2 | length 460.2
  Top w12: R502.2@1384.33,693.04 1582.68,494.69 P500.1@1582.68,314.96
AENC_WY_INN: IC200.30 R400.1 R401.2 TP13.1 | length 2165
  Top w7.1: IC200.30@1206.69,1741.62 1258.39,1741.62 1282.78,1766 1308.63,1766 v2@1308.85,1766.22 ; v2(1308.85,1760.62) v2@1308.85,1766.22 ; R401.2@1403.7,2031.49 R400.1@1403.7,1972.44 1369.75,1938.49 1369.75,1861.01 1323.94,1815.2 1323.94,1773.23 1316.93,1766.22 v2@1308.85,1766.22
  Bottom w8: v2(1308.85,1760.62) 1311.14,1762.92 1320.86,1762.92 1321.56,1763.62 1338.13,1763.62 1405.94,1695.81 1405.94,1567.55 1390.94,1552.55 1390.94,1426.85 1347.94,1383.85 1347.94,701.44 1522.68,526.7 1522.68,279.18 1512.6,269.1 TP13.1@1512.6,185.04
AENC_WY_LP: C503.2 D500.3 IC200.29 R502.1 | length 1314.3
  Top w7.1: IC200.29@1219.43,1725.87 1262.45,1725.87 1279.89,1743.31 v2(1288.62,1743.31)
  Top w12: v2(1278.06,949.65) 1381.52,949.65 1452.94,878.23 D500.3@1452.94,856.88 ; R502.1@1451.26,693.04 C503.2@1451.26,756.03 1451.26,835.92 D500.3@1466.02,850.69 D500.3@1459.13,850.69
  Bottom w8: v2(1278.06,949.65) 1258.06,969.65 1258.06,988.94 1277.94,1008.82 1277.94,1412.84 1320.94,1455.84 1320.94,1710.99 v2(1288.62,1743.31)
AGPI_A: P502.1 R505.2 | length 302.3
  Top w12: P502.1@782.68,314.96 782.68,421.85 R505.2@920.87,560.04
AGPI_A_LP: C506.2 D504.3 IC200.21 R505.1 R507.1 | length 1234.7
  Top w7.1: IC200.21@1206.69,1599.89 1206.8,1599.78 1257.39,1599.78 v2(1258.94,1598.23)
  Top w12: R505.1@920.87,638.78 920.87,834.65 D504.3@937.6,851.38 ; D504.3@937.6,850.69 D504.3@937.6,851.38 ; v2(1066.85,953.62) 986.6,953.62 937.6,904.62 D504.3@937.6,851.38
  Bottom w8: v2(1066.85,953.62) 1117.41,953.62 1221.94,1058.15 1221.94,1436.04 1264.94,1479.04 1264.94,1592.23 v2(1258.94,1598.23)
AGPI_B: P501.1 R506.2 | length 276.9
  Top w12: P501.1@982.68,314.96 982.68,483.27 R506.2@1059.45,560.04
AGPI_B_LP: C507.2 D505.3 IC200.22 R506.1 R508.1 | length 1177
  Top w7.1: IC200.22@1206.69,1615.63 1248.06,1615.63 1250.66,1618.23 1260.48,1618.23 1268.73,1626.49 v2(1271.98,1626.49)
  Top w12: R506.1@1059.45,638.78 1059.45,834.65 D505.3@1076.18,851.38 ; D505.3@1073.43,850.69 1062.85,861.27 1062.85,896.62 1088.85,922.62 1114.7,922.62 v2(1141.85,949.77)
  Bottom w8: v2(1141.85,949.77) 1235.94,1043.86 1235.94,1430.24 1278.94,1473.24 1278.94,1619.53 v2(1271.98,1626.49)
AIN1: P1.15
BRAKE: IC200.31 R406.2 | length 1775.9
  Top w7.1: IC200.31@1206.69,1757.37 1254.34,1757.37 1286.29,1789.31 v2(1296.62,1789.31)
  Bottom w8: v2(1296.62,1789.31) 1332.24,1789.31 1419.94,1701.61 1419.94,1561.75 1404.94,1546.75 1404.94,1383.68 1377.06,1355.79 1377.06,711.92 1586.61,502.36 1748.87,502.36 1780.71,470.52 R406.2@1782.68,470.52